# Altium PCB GN-1866-A-V2.PCBDOC (part 5 of 5)
Units mil, origin at the board's own origin, x right, y up, seen from the top; angles counter-clockwise.
Board outline 2475 x 2671.81 mil, 6 copper layers (TOP, ART02, ART03, ART04, ART05, BOTTOM), stack 47.2 mil thick; 347 components, 311 nets, 1697 pads, 1562 vias.
Unrouted connection lines stored in the file: 4.
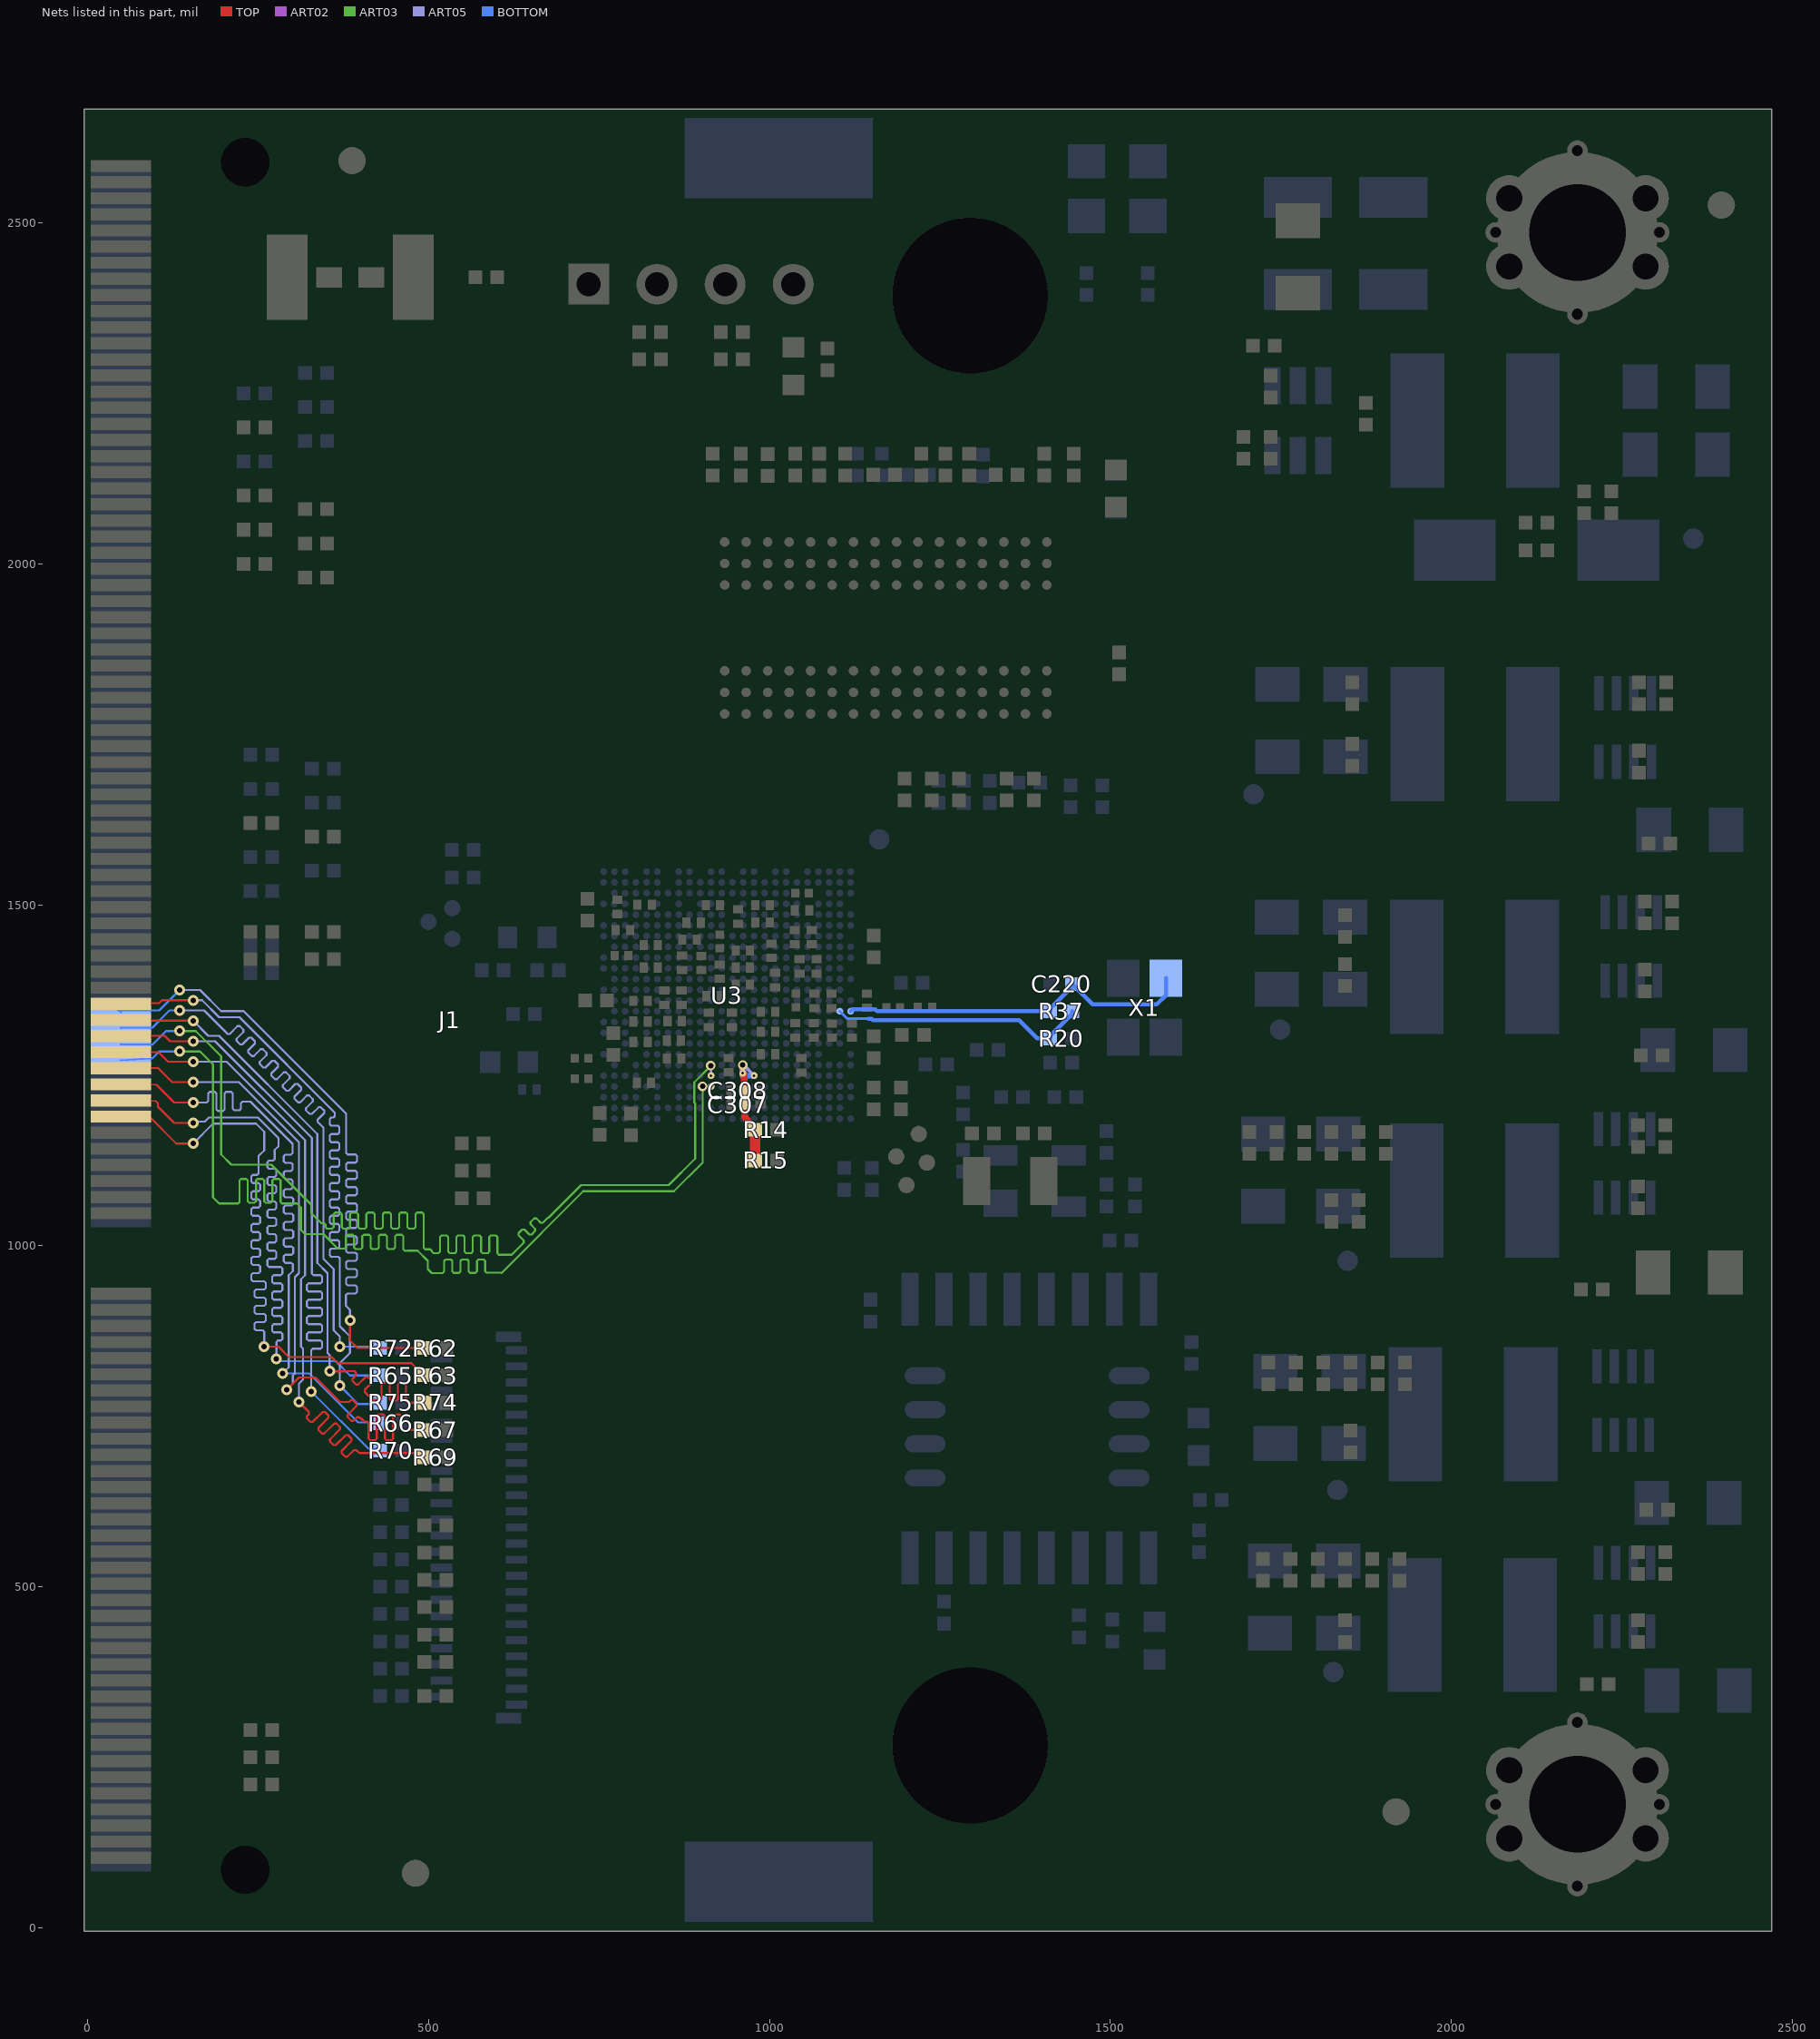
[diagram p9: the nets of this part, all layers, seen from the top]

## Via types
v1: diameter 10, hole 4, ART05 to BOTTOM, 456 vias
v2: diameter 22, hole 10, TOP to BOTTOM, 315 vias
v3: diameter 10, hole 4, TOP to ART02, 297 vias
v4: diameter 16, hole 8, TOP to BOTTOM, 255 vias
v5: diameter 14, hole 8, ART02 to ART05, 238 vias
v6: diameter 10, hole 4, ART02 to ART05, 1 vias

## Nets (pads, with @x,y where several pads share a name; then routed paths per layer and width w, separated by ;. In a path a pad name is that pad's centre, name@x,y a point inside that pad or via, vN(x,y) a via of type N, cw(c..) or ccw(c..) an arc to the next point about the centre after c; other vN are vias at no path point) (continued)
VI1_D4: J1.93 U3.AA14 | length 1771
  ART03 w3: v4(135,1285) 165,1285 184,1266 184,1071 193,1062 220.75,1062 223,1064.25 223,1095.81 225.25,1098.06 232.75,1098.06 235,1095.81 235,1065.46 237.25,1063.21 244.75,1063.21 247,1065.46 247,1095.81 249.25,1098.06 256.75,1098.06 259,1095.81 259,1065.46 261.25,1063.21 268.75,1063.21 271,1065.46 271,1095.81 273.25,1098.06 280.75,1098.06 283,1095.81 283,1064.28 285.25,1062.03 306.97,1062.03 313,1056 313,1023 319,1017 346,1017 367,996 376.75,996 379,998.25 379,1014.02 381.25,1016.27 388.75,1016.27 391,1014.02 391,997.45 393.25,995.2 400.75,995.2 403,997.45 403,1014.02 405.25,1016.27 412.75,1016.27 415,1014.02 415,997.45 417.25,995.2 424.75,995.2 427,997.45 427,1014.02 429.25,1016.27 436.75,1016.27 439,1014.02 439,997.45 441.25,995.2 448.75,995.2 451,997.45 451,1014.02 453.25,1016.27 460.75,1016.27 463,1014.02 463,994.79 465.25,992.54 469,992.54 469.46,993 484,993 499,978 499,966 505,960 520.75,960 523,962.25 523,977.79 525.25,980.04 532.75,980.04 535,977.79 535,962.5 537.25,960.25 544.75,960.25 547,962.5 547,977.79 549.25,980.04 556.75,980.04 559,977.79 559,962.5 561.25,960.25 568.75,960.25 571,962.5 571,977.79 573.25,980.04 580.75,980.04 583,977.79 583,962.7 585.25,960.45 606.55,960.45 607,960 727,1080 860,1080 902,1122 v5(902,1234)
  ART05 w3: v5(902,1234) v1(914.36,1233.63)
  BOTTOM w3: J1.93@49,1272.1 95,1275 105,1285 v4(135,1285)
VI1_D5: J1.95 U3.Y14 | length 1803.4
  ART03 w3: v4(135,1315) 158.81,1315 196,1277.81 196,1134 211,1119 269.43,1119 328,1060.43 328,1048.22 343,1033.22 346.75,1033.22 349,1030.97 349,1027.44 351.25,1025.19 358.75,1025.19 361,1027.44 361,1046.4 363.25,1048.65 370.75,1048.65 373,1046.4 373,1027.44 375.25,1025.19 382.75,1025.19 385,1027.44 385,1046.4 387.25,1048.65 394.75,1048.65 397,1046.4 397,1027.44 399.25,1025.19 406.75,1025.19 409,1027.44 409,1046.4 411.25,1048.65 418.75,1048.65 421,1046.4 421,1027.44 423.25,1025.19 430.75,1025.19 433,1027.44 433,1046.4 435.25,1048.65 442.75,1048.65 445,1046.4 445,1027.44 447.25,1025.19 454.75,1025.19 457,1027.44 457,1046.4 459.25,1048.65 466.75,1048.65 469,1046.4 469,1027.44 471.25,1025.19 478.75,1025.19 481,1027.44 481,1046.4 483.25,1048.65 490.75,1048.65 493,1046.4 493,997.02 495.25,994.77 502.75,994.77 505,992.52 505,991.49 507.25,989.24 514.75,989.24 517,991.49 517,1012.99 519.25,1015.24 526.75,1015.24 529,1012.99 529,991.49 531.25,989.24 538.75,989.24 541,991.49 541,1012.99 543.25,1015.24 550.75,1015.24 553,1012.99 553,991.49 555.25,989.24 562.75,989.24 565,991.49 565,1012.99 567.25,1015.24 574.75,1015.24 577,1012.99 577,991.49 579.25,989.24 586.75,989.24 589,991.49 589,1012.99 591.25,1015.24 598.75,1015.24 601,1012.99 601,989.25 603.25,987 622,987 639.65,1004.65 639.65,1007.83 632.14,1015.35 632.14,1018.53 637.44,1023.83 640.62,1023.83 648,1016.46 651.18,1016.46 656.48,1021.76 656.48,1024.94 649.77,1031.65 649.77,1034.84 655.08,1040.14 658.26,1040.14 664.6,1033.8 667.78,1033.8 674.99,1041 676,1041 724,1089 852.3,1089 891.3,1128 891.3,1208.47 889.7,1210.07 889.7,1239.7 v5(914,1264)
  ART05 w3: v5(914,1264) v1(914.36,1249.38)
  BOTTOM w3: J1.95@49,1295.72 95,1295 115,1315 v4(135,1315)
VI1_D6: J1.97 R72.1 | length 1025.7
  ART05 w3: v4(135,1345) 171.15,1345 205.46,1310.69 208.65,1310.69 220.01,1322.06 223.19,1322.06 228.5,1316.75 228.5,1313.57 218.54,1303.61 218.54,1300.43 223.84,1295.12 227.02,1295.12 236.98,1305.09 240.17,1305.09 245.47,1299.78 245.47,1296.6 235.51,1286.64 235.51,1283.46 240.81,1278.15 243.99,1278.15 253.95,1288.12 257.14,1288.12 262.44,1282.81 262.44,1279.63 252.48,1269.67 252.48,1266.49 257.78,1261.18 260.96,1261.18 270.92,1271.14 274.11,1271.14 279.41,1265.84 279.41,1262.66 269.45,1252.7 269.45,1249.52 274.75,1244.21 277.93,1244.21 287.9,1254.17 291.08,1254.17 296.38,1248.87 296.38,1245.69 286.42,1235.73 286.42,1232.55 291.72,1227.24 294.9,1227.24 304.87,1237.2 308.05,1237.2 313.35,1231.9 313.35,1228.72 303.39,1218.76 303.39,1215.58 308.69,1210.27 311.88,1210.27 321.84,1220.23 325.02,1220.23 330.32,1214.93 330.32,1211.75 320.36,1201.79 320.36,1198.6 325.66,1193.3 328.85,1193.3 338.81,1203.26 341.99,1203.26 347.29,1197.96 347.29,1194.78 337.35,1184.83 337.35,1181.65 346,1173 346,981 361,966 361,876 370,867 v4(370,852)
  BOTTOM w3: J1.97@49,1319.35 95,1320 120,1345 v4(135,1345) ; v4(370,852) 425.51,852 427.51,850 R72.1@429,850
VI1_D7: J1.99 R62.1 | length 1111.3
  TOP w3: v4(385,891) 385,861 396,850 R62.1@494,850
  ART05 w3: v4(135,1375) 165,1375 196,1344 229,1344 379.33,1193.67 379.33,1136.25 381.58,1134 392.83,1134 395.08,1131.75 395.08,1124.25 392.83,1122 381.58,1122 379.33,1119.75 379.33,1112.25 381.58,1110 392.83,1110 395.08,1107.75 395.08,1100.25 392.83,1098 381.58,1098 379.33,1095.75 379.33,1088.25 381.58,1086 392.83,1086 395.08,1083.75 395.08,1076.25 392.83,1074 381.58,1074 379.33,1071.75 379.33,1064.25 381.58,1062 392.83,1062 395.08,1059.75 395.08,1052.25 392.83,1050 381.58,1050 379.33,1047.75 379.33,1040.25 381.58,1038 392.83,1038 395.08,1035.75 395.08,1028.25 392.83,1026 381.58,1026 379.33,1023.75 379.33,1016.25 381.58,1014 392.83,1014 395.08,1011.75 395.08,1004.25 392.83,1002 381.58,1002 379.33,999.75 379.33,992.25 381.58,990 392.83,990 395.08,987.75 395.08,980.25 392.83,978 381.58,978 379.33,975.75 379.33,968.25 381.58,966 392.83,966 395.08,963.75 395.08,956.25 392.83,954 381.58,954 379.33,951.75 379.33,944.25 381.58,942 392.83,942 395.08,939.75 395.08,932.25 392.83,930 381.25,930 379,927.75 379,912 385,906 v4(385,891)
  BOTTOM w3: J1.99@49,1342.97 45,1345 105,1345 v4(135,1375)
VI1_D8: J1.86 R63.1 | length 1043.8
  TOP w3: J1.86@49,1189.43 92,1188 130,1150 v4(155,1150) ; v4(259,852) 280,852 295,837 358,837 367,828 475,828 R63.1@494,810
  ART05 w3: v4(155,1150) 184,1179 247,1179 259,1167 259,1140 250.97,1131.97 250.97,1106.25 248.72,1104 242.58,1104 240.33,1101.75 240.33,1094.25 242.58,1092 250.93,1092 253.18,1089.75 253.18,1082.25 250.93,1080 242.58,1080 240.33,1077.75 240.33,1070.25 242.58,1068 250.93,1068 253.18,1065.75 253.18,1058.25 250.93,1056 242.58,1056 240.33,1053.75 240.33,1046.25 242.58,1044 250.93,1044 253.18,1041.75 253.18,1034.25 250.93,1032 242.58,1032 240.33,1029.75 240.33,1022.25 242.58,1020 250.93,1020 253.18,1017.75 253.18,1010.25 250.93,1008 242.58,1008 240.33,1005.75 240.33,998.25 242.58,996 250.93,996 253.18,993.75 253.18,986.25 250.93,984 242.58,984 240.33,981.75 240.33,974.25 242.58,972 250.93,972 253.18,969.75 253.18,962.25 250.93,960 242.58,960 240.33,957.75 240.33,950.25 242.58,948 259.27,948 261.52,945.75 261.52,938.25 259.27,936 247.12,936 244.87,933.75 244.87,926.25 247.12,924 259.27,924 261.52,921.75 261.52,914.25 259.27,912 247.12,912 244.87,909.75 244.87,902.25 247.12,900 259.27,900 261.52,897.75 261.52,890.25 259.27,888 247.12,888 244.87,885.75 244.87,878.25 247.12,876 256.75,876 259,873.75 v4(259,852)
VI1_D9: J1.88 R65.1 | length 1008.9
  TOP w3: J1.88@49,1213.05 100,1212 103,1209 103,1204 127,1180 v4(155,1180)
  ART05 w3: v4(155,1180) 157,1182 172,1182 178,1188 250,1188 280,1158 280,1146 274.47,1140.47 274.47,1127.25 272.22,1125 266.07,1125 263.82,1122.75 263.82,1115.25 266.07,1113 274.46,1113 276.71,1110.75 276.71,1103.25 274.46,1101 266.07,1101 263.82,1098.75 263.82,1091.25 266.07,1089 274.46,1089 276.71,1086.75 276.71,1079.25 274.46,1077 266.07,1077 263.82,1074.75 263.82,1067.25 266.07,1065 274.46,1065 276.71,1062.75 276.71,1055.25 274.46,1053 266.07,1053 263.82,1050.75 263.82,1043.25 266.07,1041 274.46,1041 276.71,1038.75 276.71,1031.25 274.46,1029 266.07,1029 263.82,1026.75 263.82,1019.25 266.07,1017 274.46,1017 276.71,1014.75 276.71,1007.25 274.46,1005 266.07,1005 263.82,1002.75 263.82,995.25 266.07,993 274.46,993 276.71,990.75 276.71,983.25 274.46,981 266.07,981 263.82,978.75 263.82,971.25 266.07,969 283.55,969 285.8,966.75 285.8,959.25 283.55,957 272.98,957 270.73,954.75 270.73,947.25 272.98,945 283.55,945 285.8,942.75 285.8,935.25 283.55,933 272.98,933 270.73,930.75 270.73,923.25 272.98,921 283.55,921 285.8,918.75 285.8,911.25 283.55,909 272.98,909 270.73,906.75 270.73,899.25 272.98,897 283.55,897 285.8,894.75 285.8,887.25 283.55,885 272.98,885 270.73,882.75 270.73,875.25 272.98,873 283.55,873 285.8,870.75 285.8,863.25 283.55,861 279.25,861 277,858.75 v4(277,834)
  BOTTOM w3: v4(277,834) 277,831 364,831 385,810 R65.1@429,810
VI1_D10: J1.90 R66.1 | length 1053.7
  TOP w3: J1.90@49,1236.67 101,1236 127,1210 v4(155,1210)
  ART05 w3: v4(155,1210) 174.75,1210 177,1212.25 177,1223.53 179.25,1225.78 186.75,1225.78 189,1223.53 189,1199.9 191.25,1197.65 198.75,1197.65 201,1199.9 201,1223.53 203.25,1225.78 210.75,1225.78 213,1223.53 213,1200.94 215.25,1198.69 222.75,1198.69 225,1200.94 225,1209.13 227.25,1211.38 238.73,1211.38 300.73,1149.38 300.73,1143 300.8,1142.93 300.8,1135.98 298.55,1133.73 290.08,1133.73 287.83,1131.48 287.83,1123.98 290.08,1121.73 298.55,1121.73 300.8,1119.48 300.8,1111.98 298.55,1109.73 290.08,1109.73 287.83,1107.48 287.83,1099.98 290.08,1097.73 298.48,1097.73 300.73,1095.48 300.73,1085.25 298.48,1083 290.13,1083 287.88,1080.75 287.88,1073.25 290.13,1071 299.45,1071 301.7,1068.75 301.7,1061.25 299.45,1059 290.13,1059 287.88,1056.75 287.88,1049.25 290.13,1047 299.45,1047 301.7,1044.75 301.7,1037.25 299.45,1035 290.13,1035 287.88,1032.75 287.88,1025.25 290.13,1023 299.45,1023 301.7,1020.75 301.7,1013.25 299.45,1011 290.13,1011 287.88,1008.75 287.88,1001.25 290.13,999 299.45,999 301.7,996.75 301.7,989.25 299.45,987 290.13,987 287.88,984.75 287.88,977.25 290.13,975 298.75,975 301,972.75 301,963 295,957 295,822 v4(286,813)
  BOTTOM w3: v4(286,813) 325,813 397,741 421,741 R66.1@429,740
VI1_D11: J1.92 R67.1 | length 1101.8
  TOP w3: J1.92@49,1260.29 103,1261 124,1240 v4(155,1240) ; v4(292,789) 310,807 334,807 370,771 383.46,771 386.13,773.67 389.31,773.67 394.61,768.37 394.61,765.19 381.43,752 381.43,748.82 386.73,743.52 389.92,743.52 395.25,748.85 398.43,748.85 401.08,746.2 401.08,746.83 401.25,747 406,742.25 409.75,742.25 412,740 412,717.32 414.25,715.07 421.75,715.07 424,717.32 424,750.48 426.25,752.73 433.75,752.73 436,750.48 436,717.32 438.25,715.07 445.75,715.07 448,717.32 448,750.48 450.25,752.73 457.75,752.73 460,750.48 460,731.25 462.25,729 471.16,729 472.16,730 R67.1@494,730
  ART05 w3: v4(155,1240) 222,1240 310,1152 310,960 304,954 304,813 301,810 301,798 v4(292,789)
VI1_D12: J1.94 R69.1 | length 1088.1
  TOP w3: J1.94@49,1283.91 104,1284 118,1270 v4(155,1270) ; v4(310,771) 324.65,756.35 324.65,753.17 321.62,750.13 321.62,746.95 326.92,741.65 330.1,741.65 344.86,756.41 348.04,756.41 353.35,751.1 353.35,747.92 338.59,733.16 338.59,729.98 343.89,724.68 347.07,724.68 361.83,739.44 365.01,739.44 370.32,734.13 370.32,730.95 355.56,716.19 355.56,713.01 360.86,707.7 364.04,707.7 378.8,722.47 381.99,722.47 387.29,717.16 387.29,713.98 372.53,699.22 372.53,696.04 377.83,690.73 381.01,690.73 390.75,700.47 393.93,700.47 398.41,696 493,696 R69.1@494,690
  ART05 w3: v4(155,1270) 204,1270 319,1155 319,957 313,951 313,852 316,849 316,804 310,798 v4(310,771)
VI1_D13: J1.96 R70.1 | length 1032.4
  TOP w3: J1.96@49,1307.54 61,1308 113,1308 121,1300 v4(155,1300)
  ART05 w3: v4(155,1300) 187,1300 328.94,1158.06 328.94,959.25 331.19,957 341.65,957 343.9,954.75 343.9,947.25 341.65,945 324,945 321.75,942.75 321.75,935.25 324,933 341.65,933 343.9,930.75 343.9,923.25 341.65,921 324,921 321.75,918.75 321.75,911.25 324,909 341.65,909 343.9,906.75 343.9,899.25 341.65,897 324,897 321.75,894.75 321.75,887.25 324,885 341.65,885 343.9,882.75 343.9,875.25 341.65,873 324,873 321.75,870.75 321.75,863.25 324,861 341.65,861 343.9,858.75 343.9,851.25 341.65,849 330.25,849 328,846.75 v4(328,786)
  BOTTOM w3: v4(328,786) 328.48,786 412.45,702.03 426.65,702.03 426.84,701.84 R70.1@429,700
VI1_D14: J1.98 R74.1 | length 1011.6
  TOP w3: J1.98@49,1331.16 58,1330 v4(155,1330) ; v4(355,816) 379.29,816 379.38,816.08 391.17,816.08 393.82,813.43 393.82,810.25 388.54,804.97 388.54,801.79 393.85,796.48 397.03,796.48 407.99,807.44 411.17,807.44 416.47,802.14 416.47,798.96 406.35,788.83 406.35,785.65 418.03,773.97 428.75,773.97 431,776.22 431,796.76 433.25,799.01 440.75,799.01 443,796.76 443,775.29 445.25,773.04 452.75,773.04 455,775.29 455,796.76 457.25,799.01 464.75,799.01 467,796.76 467,772.25 469.25,770 R74.1@494,770
  ART05 w3: v4(155,1330) 177,1308 193,1308 337,1164 337,975 352,960 352,843 355,840 v4(355,816)
VI1_D15: J1.100 R75.1 | length 1070.5
  TOP w3: J1.100@49,1354.78 105,1356 109,1360 v4(155,1360)
  ART05 w3: v4(155,1360) 168,1360 193,1335 223,1335 362.73,1195.27 362.73,1190.25 360.48,1188 357.37,1188 355.12,1185.75 355.12,1178.25 357.37,1176 367.13,1176 369.38,1173.75 369.38,1166.25 367.13,1164 357.37,1164 355.12,1161.75 355.12,1154.25 357.37,1152 367.13,1152 369.38,1149.75 369.38,1142.25 367.13,1140 357.37,1140 355.12,1137.75 355.12,1130.25 357.37,1128 367.13,1128 369.38,1125.75 369.38,1118.25 367.13,1116 357.37,1116 355.12,1113.75 355.12,1106.25 357.37,1104 367.13,1104 369.38,1101.75 369.38,1094.25 367.13,1092 357.37,1092 355.12,1089.75 355.12,1082.25 357.37,1080 367.13,1080 369.38,1077.75 369.38,1070.25 367.13,1068 357.37,1068 355.12,1065.75 355.12,1058.25 357.37,1056 367.13,1056 369.38,1053.75 369.38,1046.25 367.13,1044 357.37,1044 355.12,1041.75 355.12,1034.25 357.37,1032 367.13,1032 369.38,1029.75 369.38,1022.25 367.13,1020 357.37,1020 355.12,1017.75 355.12,1010.25 357.37,1008 367.13,1008 369.38,1005.75 369.38,998.25 367.13,996 357.37,996 355.12,993.75 355.12,986.25 357.37,984 367.75,984 370,981.75 370,882 385,867 385,843 370,828 v4(370,795)
  BOTTOM w3: v4(370,795) 397,768 427,768 R75.1@429,770
VIVCC: C307.1 C308.1 R14.2 R15.2 U3.Y10 U3.Y11 | length 185.3
  TOP w10: v3(961,1253) 963,1251 963,1229.48 963.46,1229.02 C308.1@963.5,1228 C307.1@963.5,1207 964,1206.5 964,1189 R14.2@979,1170
  TOP w15: R15.2@979,1125 R14.2@979,1170
  ART02 w10: v3(961,1253) v5(961,1265)
  ART05 w5: v5@962.73,1265 v1(977.35,1249.38)
  ART05 w10: v5(961,1265) v5@962.73,1265
  BOTTOM w8: U3.Y11@961.6,1249.38 v1(977.35,1249.38)
XIN: C220.1 R37.1 U3.P1 X1.1 | length 529.2
  BOTTOM w6: U3.P1@1119.08,1343.87 1122.21,1347 1155.05,1347 1158.05,1344 R37.1@1412,1344 1412,1348 1444,1380 C220.1@1444,1384 1474,1354 1568,1354 1581.6,1367.6 X1.1@1581.6,1392.41
XOUT: R20.1 R37.2 U3.P2 | length 378.4
  BOTTOM w4: U3.P2@1103.33,1343.87 1114.33,1332.87 1145,1332.87
  BOTTOM w6: 1145,1332.87 1150,1332.87 1151.87,1331 1366,1331 1393,1304 R20.1@1412,1304 1412,1308 1444,1340 R37.2@1444,1344
pads on no net: J1.1 J1.3 J1.5 J1.13 J1.14 J1.15 J1.16 J1.17 J1.18 J1.19 J1.20 J1.21 J1.22 J1.23 J1.24 J1.25 J1.26 J1.27 J1.28 J1.29 J1.30 J1.33 J1.34 J1.35 J1.55 J1.65 J1.66 J1.67 J1.68 J1.69 J1.70 J1.71 J1.72 J1.73 J1.74 J1.75 J1.76 J1.77 J1.78 J1.79 J1.80 J1.81 J1.82 J1.101 J1.110 J1.111 J1.112 J1.113 J1.114 J1.116 J1.124 J1.126 J1.147 J1.149 J1.151 J1.153 J1.155 J1.157 J1.159 J1.161 J1.163 J1.165 J1.167 J1.174 J1.176 J1.178 J1.179 J1.180 J1.181 J1.183 J1.185 J1.187 J1.189 J1.191 J1.193 J1.195 J1.197 J1.199 J1.205 J1.206 J2.1 J3.1 J4.1 J5.1 J6.1 J7.1 J21.1 J22.1 M5.1 M6.1 U1.1 U2.1 U3.A22 U3.AA17 U3.AA23 U3.AA24 U3.AB16 U3.AB17 U3.AB19 U3.AB22 U3.AB23 U3.AB24 U3.AC16 U3.AC17 U3.AC18 U3.AC20 U3.AC21 U3.AC23 U3.AD16 U3.AD17 U3.AD20 U3.AD23 U3.B22 U3.C22 U3.C23 U3.D22 U3.D23 U3.E3 U3.E22 U3.F2 U3.F20 U3.F21 U3.F22 U3.F23 U3.F24 U3.G23 U3.G24 U3.J22 U3.J23 U3.J24 U3.K20 U3.K21 U3.K22 U3.L1 U3.L2 U3.L20 U3.L21 U3.L23 U3.M2 U3.M3 U3.M4 U3.M22 U3.N1 U3.N2 U3.N3 U3.N4 U3.N6 U3.N22 U3.P3 U3.P4 U3.P22 U3.P23 U3.R20 U3.R22 U3.T1 U3.T2 U3.T4 U3.T20 U3.U2 U3.U4 U3.U5 U3.U6 U3.V4 U3.V6 U3.V22 U3.V23 U3.V24 U3.W3 U3.W17 U3.Y3 U3.Y5 U3.Y17 U3.Y22 U3.Y23 U3.Y24 U17.1 U19.J1 U19.J9 U19.L1 U19.L9 U20.4 U20.5 U20.6 U20.11 U20.12 U20.13 U20.14 U21.1 U22.1 U26.J1 U26.J9 U26.L1 U26.L9

## Polygon pours and split planes (outlines as drawn)
1V35/1V5 on TOP "TOP-1V35/1V5" (solid, remove dead copper, pour order 1000): 1099.23,1744.45 1078.67,1744.45 1078.67,1771.98 1099.23,1771.98
VCC_MEDIA_CORE on TOP "TOP-VCC_MEDIA_CORE" (solid, remove dead copper, pour order 1001): 84 vertices, not listed, extent 858,827.5 1920,1365
1V8 on TOP "TOP-1V8" (solid, remove dead copper, pour order 1002): 17 vertices, not listed, extent 975,976 1870.36,1383
VCC_CPU_CORE on TOP "TOP-VCC_CPU_CORE" (solid, remove dead copper, pour order 1003): 23 vertices, not listed, extent 517,302 943,1500
GND on TOP "TOP-GND" (solid, remove dead copper, pour order 1009): 105 vertices, not listed, extent -5,-0.15 2464,2661
1V35/1V5 on TOP "TOP-1V35/1V5 1" (solid, remove dead copper, pour order 1004): 254 vertices, not listed, extent 887,1384 1875,2139
3V3 on TOP "TOP-3V3" (solid, remove dead copper, pour order 1005): 17 vertices, not listed, extent 420,1383 718.75,1925
3V3/1V8 on TOP "TOP-3V3/1V8" (solid, remove dead copper, pour order 1006): 33 vertices, not listed, extent 1133,1222 1228,1327
VCC_VDD_DDR_CORE on TOP "TOP-VCC_VDD_DDR_CORE" (solid, remove dead copper, pour order 1007): 17 vertices, not listed, extent 678.12,374.5 1879,1235
1V35/1V5 on TOP "TOP-1V35/1V5 2" (solid, remove dead copper, pour order 1008): 1139.52,1612.63 1145.86,1612.63 1145.86,1636.99 1139.52,1636.99
GND on ART02 "ART02-GND" (solid, remove dead copper, pour order 1011): 105 vertices, not listed, extent -5,-0.15 2464,2661
GND on ART02 "ART02-GND 1" (solid, remove dead copper, pour order 1010): 1073,889 1618,1434 1618,1959 1433,2144 813,2144 813,1629 530.5,1346.5 530.5,1024 623,1024 758,889
3V3 on ART03 "ART03-3V3" (solid, remove dead copper, pour order 1013): 30 vertices, not listed, extent 626.25,320 2390,2572.5
GND on ART03 "ART03-GND" (solid, remove dead copper, pour order 1012): 75 vertices, not listed, extent 838.05,1904.23 1119.83,2123.91
VCC_VDD_DDR_CORE on ART03 "ART03-VCC_VDD_DDR_CORE" (solid, remove dead copper, pour order 1015): 119 vertices, not listed, extent 683.88,1097.06 992.36,1433.44
VCC_CPU_CORE on ART03 "ART03-VCC_CPU_CORE" (solid, remove dead copper, pour order 1016): 914,302.5 1089,302.5 1179.25,392.75 1662,392.75 1693.38,361.38 1821,361.38 1821,430 1688,430 1671.5,446.5 1120,446.5 1042.25,368.75 914,368.75
3V3 on ART03 "ART03-3V3 1" (solid, remove dead copper, pour order 1017): 804.27,1423.5 439,1423.5 439,1355 608,1355 633.15,1380.15 787.79,1380.15 804.27,1396.63
GND on ART03 "ART03-GND 1" (solid, remove dead copper, pour order 1018): 105 vertices, not listed, extent -5,-0.15 2464,2661
VCC_CPU_CORE on ART03 "ART03-VCC_CPU_CORE 1" (solid, remove dead copper, pour order 1014): 208 vertices, not listed, extent 636,1404 906,1574.3
GND on ART04 "ART04-GND" (solid, remove dead copper, pour order 1020): 105 vertices, not listed, extent -5,-0.15 2464,2661
GND on ART04 "ART04-GND 1" (solid, remove dead copper, pour order 1019): 30 vertices, not listed, extent 153,379 1903,2149
12V0 on ART05 "ART05-12V0" (solid, remove dead copper, pour order 1021): 493,2361 493,2487 547,2541 868,2541 923.5,2596.5 1657,2596.5 1726.75,2526.75 1726.75,2361 1621,2361 1468.5,2513.5 1225,2513.5 1180.25,2468.75 601,2468.75 556.12,2423.88 556.12,2361
3V3/1V8 on ART05 "ART05-3V3/1V8" (solid, remove dead copper, pour order 1022): 34 vertices, not listed, extent 723,633.28 1692.75,2266.5
GND on ART05 "ART05-GND" (solid, remove dead copper, pour order 1024): 105 vertices, not listed, extent -5,-0.15 2464,2661
GND on ART05 "ART05-GND 1" (solid, remove dead copper, pour order 1023): 25 vertices, not listed, extent 83,351.5 1908,2214
GND on BOTTOM "BOTTOM-GND" (solid, remove dead copper, pour order 1029): 1533,1909 1478,1909 1478,1949 1533,1949
1V35/1V5 on BOTTOM "BOTTOM-1V35/1V5" (solid, remove dead copper, pour order 1025): 176 vertices, not listed, extent 920.5,1572 1876,2111.5
GND on BOTTOM "BOTTOM-GND 1" (solid, remove dead copper, pour order 1026): 1253,889 1253,1109 1178,1109 1178,1614 688,1614 688,1384 533,1384 533,1024 643,1024 643,889
GND on BOTTOM "BOTTOM-GND 2" (solid, remove dead copper, pour order 1027): 105 vertices, not listed, extent -5,-0.15 2464,2661
GND on BOTTOM "BOTTOM-GND 3" (solid, remove dead copper, pour order 1028): 1163,1854 1118,1854 1118,1874 1163,1874

## Keep-outs
Keep-Out Layer:
  lines w10: 142.79,1003 0,1003 0,2661.42 703.26,2661.42 703.26,2660.5 ccw(c782.26,2660.5) 861.26,2660.5 940,2661.42 2465,2661.42 2465,0 940,0 861.26,-0.39 ccw(c782.26,-0.67) 703.26,-0.39 703.26,0 0,0 0,963 142.79,963 ccw(c142.47,983) 142.82,1003

## Other copper
TOP:
  region net 3V3: 2212,945 2238,945 2238,970.29 2260.5,992.79 2260.5,1065 2284,1065 2284,1038 2293,1029 2308,1029 2308,1073.5 2346.5,1073.5 2346.5,1014 2324.1,991.6 2324.1,921.5 2212,921.5 2212,945
  pour cut-out: 911,1991 939,1991 959.5,2011.5 1035,2011.5 1041.25,2005.25 1049,2005.25 1056.38,2012.62 1096,2012.62 1102.81,2005.81 1102.81,1963 1106.91,1958.91 1138,1958.91 1142.55,1963.45 1142.55,1976 1147.27,1980.73 1211,1980.73 1226.14,1995.86 1226.14,2009 1208.57,2026.57 1208.57,2040 1213.78,2045.22 1287,2045.22 1307.61,2024.61 1309.61,2022.61 1317,2022.61 1340.7,2046.3 1350,2046.3 1372.15,2024.15 1380,2024.15 1401.92,2046.08 1433,2046.08 1557.54,1921.54 1557.54,1800 1522.77,1765.23 1402,1765.23 1378.62,1788.62 1370,1788.62 1349.69,1768.31 1338,1768.31 1338,1769 1318,1789 1306,1789 1285.5,1768.5 1228,1768.5 1221.75,1762.25 1221.75,1742 1170,1742 1161.5,1750.5 1101,1750.5 1101,1791 1091,1801 1053,1801 1043,1811 1043,1819 1037,1825 1021,1825 1015.5,1819.5 1015.5,1800 1011.25,1795.75 989,1795.75 984.38,1800.38 984.38,1818 977.19,1825.19 952,1825.19 947.91,1821.09 947.91,1809 925.95,1787.05 925.95,1765 953.98,1736.98 1028,1736.98 1061.99,1702.99 1117,1702.99 1136.49,1683.49 1136.49,1635 1138.75,1632.75 1138.75,1617 1098.87,1577.13 944,1577.13 810.56,1710.56 810.56,1892 909.78,1991.22 911,1991.22 911,1991
  region net 3V3: 2221,366.15 2221,348.5 2245,348.5 2266.25,327.25 2281,327.25 2281,429 2263,429 2263,381 2248.15,366.15 2221,366.15
  pour cut-out: -5,2661 100,2661 100,0 -5,0 -5,2661
  region net 12V0IN: 103,2592 103,2487 235,2355 322,2355 322,2484 223,2484 137.5,2569.5 137.5,2592 103,2592
  pour cut-out: 2322.5,921.5 2380.5,921.5 2380.5,993.5 2322.5,993.5 2322.5,921.5
  region net VCC_MEDIA_CORE: 1795,1044 1885,1044 1885,975 1687,975 1687,1017 1742.5,1072.5 1795,1072.5 1795,1044
  pour cut-out: 257,2354 463,2354 463,2484 257,2484 257,2354
  pour cut-out: 993.75,1260 993.75,1369.96 958,1369.96 958,1329 901,1329 901,1359.62 858.5,1359 858.5,1266 793,1266 793,1390 762,1421 762,1524 882.86,1524 882.86,1488 901,1488 901,1506 919,1506 919,1524 988,1524 988,1509 1006,1509 1006,1469.85 993.1,1469.85 993.1,1455.93 1024,1455.93 1029.54,1461.46 1029.54,1524 1063,1524 1063,1503 1078,1503 1078,1457.01 1068,1447 1068,1436.59 1075.79,1428.79 1075.79,1392 1039,1392 1039,1406.86 1034.43,1411.43 1022.85,1411.43 1018.21,1406.79 1018.21,1380 1153,1380 1153,1359 1249,1359 1249,1335 1141,1335 1141,1296 1060,1296 1060,1245 1006,1245 1006,1197 952,1197 952.79,1260 993.75,1260
  region net 12V0: 1723,2268 1723,2298 1729,2304 1729,2346 1708,2367 1651.5,2367 1651.5,2433 1808.5,2433 1808.5,2373 1753.75,2318.25 1753.75,2268 1723,2268
  region net 3V3: 2266,1704 2266,1650 2234.65,1618.65 2234.65,1578.5 2293,1578.5 2293,1704 2266,1704
  pour cut-out: 764,2363 1081,2363 1081,2457 764,2457 764,2363
  region net 3V3/1V8: 1269,1206 1251,1206 1233,1224 1194.66,1224 1194.66,1236 1269,1236 1269,1206
  pour cut-out: 1570,99 1509.5,99 1509.5,195.5 1570,195.5 1570,99
  region net 12V0: 397,2406 445,2358 541,2358 577,2394 577,2442 535,2484 445,2484 397,2436 397,2406
  pour cut-out: 241,435 319,363 457,363 469,351 469,309 616,309 616,876 409,876 404.5,880.5 404.5,906 364,906 364,870 343,849 304,849 284.5,868.5 244,868.5 237.25,861.75 237.25,846 270.62,812.62 270.62,777 359.31,688.31 352,681 337,681 263.5,754.5 263.5,789 255.25,797.25 255.25,804 243.62,815.62 232,815.62 193.19,776.81 193.19,768 326.59,634.59 415,634.59 415,621 349,621 308.5,580.5 308.5,480 253,480 241,468 241,435
  region net 1V35/1V5: 1720,1644 1720,1689 1807,1689 1826.5,1708.5 1867,1708.5 1867,1644 1720,1644
  region net VCC_VDD_DDR_CORE: 1842,710 1726,710 1726,654 1870,654 1870,708 1842,708 1842,710
  pour cut-out: 85,1959 397,1959 397,2130 85,2130 85,1959
  pour cut-out: 88,1782 178,1782 178,1938 88,1938 88,1782
  pour cut-out: 100,1125 175,1125 175,1404 100,1404 100,1125
  region net 1V8: 1143,1210 1135,1210 1127.5,1202.5 1076,1202.5 1045.75,1172.25 1076,1142 1090,1157 1100.5,1167.5 1141,1167.5 1163.25,1189.75 1163.25,1209.16 1143,1209.16 1143,1210
  pour cut-out: 1300,1179 1327,1179 1331.5,1183.5 1331.5,1245.5 1372,1245.5 1372,1182 1376.5,1177.5 1396,1177.5 1396,1140 1429,1140 1429,1050 1279,1050 1279,1140 1300,1140 1300,1179
  region net 3V3: 2244,1291.29 2269.5,1316.79 2269.5,1383 2296,1383 2296,1308 2281,1293 2281,1248 2244,1248 2244,1291.29
  pour cut-out: 100,507 169,507 169,777 100,777 100,507
  region net 3V3: 2209.5,633 2209.5,600 2290,600 2290,633 2209.5,633
  region net 3V3: 2191,2304 2191,2097 2248,2097 2248,2304 2191,2304
  region net VCC_CPU_CORE: 1701,431 1701,386 1867,386 1867,431 1701,431
  region net 1V8: 1835,1376 1835,1371 1817,1353 1784,1353 1784,1322 1853,1322 1853,1376 1835,1376
  region net 12V0IN: 373,2406 325,2358 277.04,2358 277.04,2484 322,2484 373,2433 373,2406
ART02:
  pour cut-out: 1785,100 1509.5,100 1509.5,195.5 1785,195.5 1785,100
  region net VCC_MEDIA_CORE: 862.96,1326.04 862.96,1354.96 867.26,1359.26 883.26,1359.26 889.13,1353.39 889.13,1274 885.13,1270 865.93,1270 862.93,1273 862.93,1326 862.96,1326.04
  region net 3V3: 842,1335 841.92,1332.11 841.73,1331.35 841.61,1330.57 841.56,1329.78 841.58,1329 841.67,1328.21 841.82,1327.44 842,1326.79 842,1313 832,1303 809,1305 809,1334.75 809.49,1335.94 809.72,1336.69 809.89,1337.46 809.99,1338.24 832,1345 842,1335
  region net VCC_VDD_DDR_CORE: 989,1392 977,1380 971,1380 967,1384 967,1388 972,1393 972,1402 965,1409 965,1434 967,1436 979,1436 989,1426 989,1392
  region net VCC_MEDIA_CORE: 992,1311 974,1293 911,1293 906,1298 906,1325 909.94,1328.94 954.94,1328.94 966,1340 966,1361 968,1363 988,1363 992,1359 992,1311
  region net 1V35/1V5: 1043,1450 1043,1441 1035.52,1433.52 1035.03,1433.37 1034.12,1433.07 1033.24,1432.68 1032.47,1432.28 1032,1432 1021,1432 1019,1434 1019,1449.3 1019.49,1450.62 1019.68,1451.28 1019.82,1451.82 1021,1453 1040,1453 1043,1450
  region net 3V3: 577,1378 589,1390 755,1390 758,1387 758,1364 754,1360 580,1360 577,1363 577,1378
  region net 1V35/1V5: 1041.19,1752.84 1038.3,1755.73 1038.3,1783.6 1033.82,1788.08 1033.82,1798.26 1034.38,1798.82 1045.27,1798.82 1050.45,1793.64 1050.45,1754.55 1048.74,1752.84 1041.19,1752.84
  region net 3V3/1V8: 1189,1306 1193,1310 1221,1310 1224.5,1306.5 1224.5,1260.5 1222,1258 1191,1258 1189,1260 1189,1306
  text "GND" at 755,2242 h28
  text "RX" at 873,2240 h28
  text "TX" at 981,2238 h28
  text "VCC" at 1098,2236 h28
  text "." at 1860,2154 h28
  text "." at 855,2070 h28 r90
  text "." at 845,2063 h28
  text "." at 2336,1677 h28
  text "." at 910,1672 h28
  text "1.5V" at 1671,1617 h28 r90
  text "A" at 940,1582 h28
  text "." at 2346,1351 h28
  text "." at 1282,1038 h28
  text "." at 2339,1029 h28
  text "." at 1593,993 h28
  text "0.9V" at 1759,952 h28
  text "A" at 801,809 h28
  text "Name:GN-1866-A" at 843,740 h28 r90
  text "Ver:2.0" at 926,739 h28 r90
  text "01/15/2018" at 1000,737 h28 r90
  text "." at 2344,712 h28
  text "." at 1185,625 h28
  text "0.9V" at 1834,585 h28
  text "." at 2338,418 h28
  text "0.9V" at 1765,321 h28
  text "6" at 1555,120 h28
  text "5" at 1605,120 h28
  text "4" at 1655,120 h28
  text "3" at 1705,120 h28
  text "2" at 1755,120 h28
  text "1" at 1805,120 h28
ART03:
  pour cut-out: 921.33,1275 905,1275 880,1250 880,1140 867.5,1127.5 825,1127.5 798.75,1153.75 630,1153.75 608.12,1131.88 435,1131.88 403.44,1163.44 355,1163.44 336.72,1181.72 250,1181.72 245.86,1185.86 245.86,1305 220.43,1330.43 220.43,1400 175.21,1445.21 90,1445.21 64.89,1420.11 64.89,1240 94.95,1209.95 115,1209.95 115,1075 205,985 215,985 225,975 225,925 230,920 650,920 795,1065 840,1065 850,1055 687.5,892.5 575,892.5 528.75,846.25 528.75,300 610,300 622.5,312.5 622.5,365 681.25,423.75 681.25,445 1096,861 1096,1113 1080.31,1125.31 1080.31,1190 1092.66,1202.34 1092.66,1245 1076.33,1261.33 935,1261.33 921.33,1275
  pour cut-out: 121.09,810 80,810 57.5,787.5 57.5,635 101.25,591.25 101.25,500 225,500 225,440 297.5,367.5 340,367.5 361.25,388.75 415,388.75 415,450 352.5,512.5 320,512.5 320,530 405,530 417.5,542.5 417.5,615 340,615 310,585 182.5,712.5 182.5,750 365,750 410,795 410,905 370,905 342.5,877.5 342.5,845 323.75,826.25 310,826.25 300.62,835.62 300.62,850 277.81,872.81 185,872.81 121.09,810
  pour cut-out: 1095,2140 1145,2140 1145,2127 1095,2127 1095,2140
  pour cut-out: 1105.32,2128.02 1095,2128.02 1095,2128 1105.32,2128 1105.32,2128.02
  pour cut-out: 870,2131 820,2081 820,1792 854.5,1757.5 854.5,1489 863.94,1479.56 869.55,1479.56 877.2,1471.91 892.65,1471.91 906.18,1458.38 906.9,1459.1 906.9,1447.6 988,1447.6 1002.3,1433.3 1002.3,1411 1032.15,1381.15 1080,1381.15 1083.08,1378.08 1226,1378.08 1329.96,1482.04 1393,1482.04 1425.52,1449.52 1506,1449.52 1554.74,1498.26 1554.74,1917 1504.87,1966.87 1456,1966.87 1456,2135 1140,2135 1140,2000 1077.63,1937.63 1030,1937.63 1025.31,1942.31 1025.31,1991 1014.16,2002.16 982.82,2002.16 960.24,1979.57 960.24,1964.14 957.21,1961.11 949.24,1961.11 946.18,1964.17 946.18,1985.7 932.02,1999.85 932.02,2006 928.51,2009.51 916,2009.51 908.19,2001.7 908.19,1910.57 900.31,1902.69 844.44,1902.69 837.53,1909.6 837.53,2079.57 886.48,2128.52 1104.82,2128.52 1104.82,2139 870,2139 870,2131
  pour cut-out: 1725,100 1509,100 1509,196 1725,196 1725,100
  pour cut-out: 812,1526 779,1526 768.5,1515.5 711,1515.5 253.75,1972.75 253.75,2114 420,2114 428,2106 428,1973 804.5,1596.5 835,1596.5 860.75,1570.75 860.75,1484 842,1484 832.5,1493.5 832.5,1527 812,1527 812,1526
ART04:
  pour cut-out: 1675,99.5 1509,99.5 1509,196 1675,196 1675,99.5
ART05:
  pour cut-out: 1620,99.5 1509.5,99.5 1509.5,195.5 1620,195.5 1620,99.5
  region net VCC_MEDIA_CORE: 903.9,1372.2 903.9,1356.28 901.5,1353.88 898.61,1353.88 897.74,1353.84 896.87,1353.73 896.02,1353.54 895.19,1353.28 894.38,1352.94 893.61,1352.54 892.87,1352.07 892.18,1351.54 891.53,1350.95 890.94,1350.3 890.41,1349.61 889.94,1348.88 889.54,1348.1 889.2,1347.29 888.94,1346.46 888.75,1345.61 888.64,1344.74 888.6,1343.87 888.6,1328.12 888.64,1327.25 888.75,1326.38 889,1325.29 889,1308 886.9,1305.9 880.7,1305.9 875.1,1311.5 875.1,1321.8 875.76,1322.46 875.76,1325.56 875.95,1326.32 876.07,1327.1 876.13,1327.89 876.11,1328.67 876.03,1329.46 875.88,1330.23 875.66,1330.99 875.66,1340.98 875.87,1341.74 876.03,1342.51 876.11,1343.29 876.12,1344.42 877.3,1345.6 877.3,1378.2 879.98,1380.88 895.22,1380.88 903.9,1372.2
  region net 1V35/1V5: 1052.15,1772.45 1044.6,1764.9 1037.6,1764.9 1023.9,1778.6 1023.9,1783.4 1030.7,1790.2 1030.7,1796.3 1035.5,1801.1 1041.8,1801.1 1052.15,1790.75 1052.15,1772.45
  pour cut-out: 745,1535 775,1505 865,1505 880,1520 867.5,1532.5 867.5,1575 511.25,1931.25 340,1931.25 330.62,1940.62 125,1940.62 112.19,1927.81 90,1927.81 73.59,1911.41 73.59,1835 131.8,1776.8 155,1776.8 164.1,1785.9 164.1,1810 174.55,1820.45 450,1820.45 540.22,1730.22 550,1730.22 665.11,1615.11 665.11,1605 710.06,1560.06 745,1560.06 745,1535
  region net VCC_MEDIA_CORE: 983.67,1363 983.41,1362.16 983.22,1361.31 983.11,1360.44 983.08,1359.57 983.12,1358.69 983.24,1357.83 983.44,1356.97 983.7,1356.14 984.27,1354.81 984.27,1336.94 984.24,1329.79 984.12,1329.01 984.08,1328.23 984.11,1327.44 984.27,1326.27 984.24,1314.04 984.13,1313.26 984.08,1312.59 984.06,1311.79 979.27,1307 976,1307 973,1310 973,1315 966,1322 955,1322 952.5,1319.5 952.5,1293.5 949.02,1290.02 911.87,1290.02 909.44,1292.44 909.44,1332.44 910.86,1333.86 930.11,1333.86 930.98,1333.9 931.85,1334.01 932.7,1334.2 933.54,1334.46 934.34,1334.8 935.12,1335.2 935.86,1335.67 936.55,1336.2 937.2,1336.79 937.79,1337.44 938.32,1338.13 938.79,1338.87 939.19,1339.65 939.53,1340.45 939.82,1341.42 939.96,1341.96 945,1347 963.5,1347 971.2,1354.7 971.2,1376.2 973,1378 982,1378 984,1376 984,1363.81 983.67,1363
  pour cut-out: 743.53,1697 776,1697 776,1904 901,2029 1153,2029 1173,2009 1173,1993 1190,1993 1201,2004 1201,2042 1234,2042 1242.5,2033.5 1477,2033.5 1545.75,1964.75 1545.75,1871 1472.5,1797.75 1287,1797.75 1275.12,1785.88 1275.12,1713 1300.56,1687.56 1300.56,1672 1240,1672 1240,1751 1230.5,1760.5 1189,1760.5 1159.25,1730.75 1159.25,1616 1169.12,1606.12 1169.12,1588 1182.06,1575.06 1182.06,1557 1264,1557 1350,1643 1350,1684 1354.5,1688.5 1379,1688.5 1394.75,1672.75 1394.75,1611 1452,1611 1470,1593 1470,1559 1489,1540 1489,1529 1500,1518 1525,1518 1525,1491 1512,1478 1492,1478 1456,1442 1407,1442 1341.5,1376.5 1233,1376.5 1233,1349 1182,1349 1162,1369 1068,1369 1056,1381 1024,1381 1024,1456 906.9,1456 906.9,1478.46 899,1478.46 899,1468 867.11,1468 857.06,1478.06 857.06,1570 743.53,1683.53 743.53,1697
  pour cut-out: 106.25,1405 175,1405 217.5,1362.5 235,1362.5 403.75,1193.75 403.75,1155 411.88,1146.88 411.88,805 373.44,766.56 373.44,730 434.22,669.22 434.22,430 384.61,380.39 285,380.39 202.7,462.7 185,462.7 148.85,498.85 125,498.85 109.42,514.42 109.42,780 132.21,802.79 170,802.79 170,845 225,900 225,1160 200,1160 167.5,1127.5 135,1127.5 106.25,1156.25 106.25,1405
  region net VCC_CPU_CORE: 878.05,1439.05 884.15,1445.15 884.73,1445.28 885.49,1445.47 886.93,1446 915.49,1446 916.01,1444.8 916.44,1443.94 916.94,1443.12 917.51,1442.34 918.14,1441.62 918.83,1440.95 919.58,1440.35 920.38,1439.82 921,1439.47 921,1434.5 904,1417.5 904,1405 901,1402 883,1402 878.05,1406.95 878.05,1439.05
  region net VCC_VDD_DDR_CORE: 998.3,1441.44 998.3,1429.9 997,1428.6 997,1403.6 995.4,1402 991.2,1402 984,1394.8 976.2,1394.8 972,1399 972,1405 968,1409 957,1409 954.89,1406.96 954.09,1406.42 953.35,1405.81 952.66,1405.14 952.04,1404.41 951.48,1403.63 951.01,1402.89 950.48,1401.73 950.16,1400.82 949.92,1399.89 949.76,1398.94 949.69,1397.98 949.7,1397.02 949.79,1396.06 949.96,1395.12 950.22,1394.19 950.56,1393.29 951.1,1392.17 951.1,1374.37 946.1,1369.37 930.18,1369.37 923.37,1376.18 923.26,1376.82 923.1,1377.59 922.86,1378.39 922.86,1383.86 927.2,1388.2 927.2,1409 930.2,1412 950,1412 957,1419 957,1443 958.51,1444.51 959.57,1444.29 960.43,1444.15 961.3,1444.08 962.18,1444.1 963.05,1444.19 963.91,1444.35 964.75,1444.59 965.56,1444.9 966.62,1445.42 987.93,1445.34 988.86,1445.11 989.81,1444.97 990.77,1444.91 991.74,1444.94 992.69,1445.05 993.29,1445.16 994.36,1445.38 998.3,1441.44
  pour cut-out: 530,865 530,310 557.5,282.5 685,282.5 1136.25,733.75 1136.25,1130 1105.62,1160.62 1105.62,1195 1085.31,1215.31 1085.31,1245 1075.16,1255.16 935,1255.16 930.08,1260.08 930,1260 930,1275 900,1275 900,1250 880,1230 880,1135 867.5,1122.5 750,1122.5 726.25,1098.75 726.25,1030 730.62,1025.62 760,1025.62 760,1020 605,865 530,865
BOTTOM:
  pour cut-out: 350,1950 395,1950 395,2060 350,2060 350,1950
  pour cut-out: 1185,875 1575,875 1575,965 1185,965 1185,875
  pour cut-out: 80,825 130,825 190,885 350,885 372.5,907.5 655,907.5 668.75,893.75 668.75,305 649.38,285.62 495,285.62 477.81,302.81 415,302.81 346.41,371.41 290,371.41 235.7,425.7 235.7,475 275,475 317.5,432.5 340,455 310,485 310,505 395,505 395,530 310,530 310,595 335,620 335,645 365,675 400,675 400,690 340,750 180,750 170,740 170,500 80,500 80,825
  pour cut-out: 80,1415 175,1415 175,1130 80,1130 80,1415
  pour cut-out: 1723,2130 1825,2130 1825,2295 1723,2295 1723,2130
  region net 3V3: 2260,456 2260,375 2249.5,364.5 2249.5,327 2341,327 2341,381 2287,381 2272,396 2272,456 2260,456
  pour cut-out: 2197,1640.5 2230,1640.5 2261.75,1672.25 2308,1672.25 2308,1842 2197,1842 2197,1640.5
  pour cut-out: 1166,1359 1371,1359 1401,1404 1465,1404 1465,1365 1544,1365 1544,1429 1617,1429 1617,1336 1555,1336 1555,1268 1486,1268 1486,1293 1461,1293 1461,1250 1422,1250 1422,1287 1395,1287 1358.5,1320 1166,1320 1166,1359
  pour cut-out: 1819,2178 1933,2178 1933,2325 1819,2325 1819,2178
  region net VCC_MEDIA_CORE: 1690,1091.5 1690,981 1987,981 1987,1179 1909,1179 1909,1091.5 1690,1091.5
  pour cut-out: 115,1785 175,1785 175,1935 115,1935 115,1785
  region net 3V3: 2260,1095 2260,993 2237.5,970.5 2237.5,921 2323,921 2323,993 2347,1017 2347,1074 2314,1074 2314,1026 2308,1020 2290,1020 2272,1038 2272,1095 2260,1095
  pour cut-out: 2302,2298 2359,2298 2359,2127 2302,2127 2302,2298
  pour cut-out: 1190,495 1575,495 1575,590 1190,590 1190,495
  region net 1V35/1V5: 1064.4,1764 1026.2,1764 1021.6,1768.6 1021.6,1785.6 1024.7,1788.7 1065.5,1788.7 1068.9,1785.3 1068.9,1768.5 1064.4,1764
  pour cut-out: 1702,1455 1900,1455 1900,1521 2311,1521 2311,1353 2254,1296 1900,1296 1900,1320 1702,1320 1702,1455
  pour cut-out: 1490,640 1565,640 1565,825 1490,825 1490,640
  pour cut-out: 1903,1641 2206,1641 2206,1857 1903,1857 1903,1641
  pour cut-out: 1190,640 1265,640 1265,830 1190,830 1190,640
  region net VCC_VDD_DDR_CORE: 1705,735 1897,735 1909,747 1909,849 1990,849 1990,645 1735,645 1705,675 1705,735
  region net 3V3: 2080,2310 2176,2310 2176,2133 2245,2133 2245,2145 2191,2145 2191,2304 2305,2304 2305,1971 2182,1971 2182,2013 2080,2115 2080,2310
  region net N528716: 2236,1095 2236,1038 2231.5,1033.5 2203,1033.5 2185.75,1050.75 2185.75,1176 2080,1176 2080,972 2218,972 2248,1002 2248,1095 2236,1095
  pour cut-out: -5,0 100,0 100,2660 -5,2660 -5,0
  pour cut-out: 1696,513 1900,513 1900,546 2191,546 2222.5,577.5 2305,577.5 2305,405 2269,405 2269,375 2236,342 1897,342 1897,372 1696,372 1696,513
  region net 3V3: 2269,1407 2269,1317 2243.5,1291.5 2243.5,1248 2329,1248 2329,1323 2317,1323 2282.5,1357.5 2282.5,1407 2269,1407
  pour cut-out: 2335,315 2392,315 2392,378 2335,378 2335,315
  region net N538742: 2246,1387 2246,1358 2241.5,1353.5 2209,1353.5 2188.25,1374.25 2188.25,1506 2083,1506 2083,1311 2230,1311 2254,1335 2254,1395 2246,1387
  region net N538720: 2233,747 2233,690 2224,681 2206,681 2183.5,703.5 2183.5,849 2086,849 2086,654 2236,654 2246.5,664.5 2246.5,747 2233,747
  pour cut-out: 1820,100 1510,100 1510,195 1820,195 1820,100
  region net N538724: 2236,456 2236,402 2227,393 2206,393 2164,435 2164,543 2077,543 2077,348 2221,348 2245,372 2245,456 2236,456
  pour cut-out: 765,1563 765,1540 740,1540 740,1195 770,1195 770,1170 1110,1170 1110,1195 1135,1195 1135,1540 1095,1540 1095,1565 875,1565 782.5,1657.5 765,1657.5 765,1615 745,1615 720,1640 695,1640 687.5,1632.5 687.5,1613.5 738,1563 765,1563
  region net VCC_CPU_CORE: 1701,458 1701,381 1933,381 1933,498 1901,498 1901,458 1701,458
  region net N528764: 1801,2289 1825,2289 1849,2313 1990,2313 1990,2112 1912,2112 1912,2175 1855,2232 1801,2232 1801,2289
  region net 1V35/1V5: 1713,1743 1713,1646 1971,1646 1971,1782 1917,1782 1917,1743 1713,1743
  region net 3V3: 2257,747 2257,654 2245,634.5 2209,634.5 2209,594 2320,594 2320,657 2302,675 2290,675 2272,693 2272,747 2257,747
  pour cut-out: 2065,1974 2185,1974 2185,2067 2065,2067 2065,1974
  pour cut-out: 1684,1137 1900,1137 1900,1185 2179,1185 2200,1206 2311,1206 2311,1019.5 2255.75,964.25 1684,964.25 1684,1137
  region net 1V8: 1712,1403 1712,1323 1942,1323 1942,1403 1712,1403
  region net 12V0: 1762,2235 1762,2301 1697.5,2365.5 1651,2365.5 1651,2433 1966,2433 1966,2352 1843,2352 1786,2295 1786,2235 1762,2235
  pour cut-out: 2328.5,1248.5 2383,1248.5 2383,1320 2328.5,1320 2328.5,1248.5
  pour cut-out: 1705,2429 1981,2429 1981,2509 1705,2509 1705,2429
  pour cut-out: 2320,588 2374,588 2374,657 2320,657 2320,588
  pour cut-out: 1903,2316 2164,2316 2164,2109 1903,2109 1903,2316
  region net N537728: 2236,1734 2236,1683 2227,1674 2203,1674 2188,1689 2188,1842 2083,1842 2083,1647 2230,1647 2246.5,1663.5 2246.5,1734 2236,1734
  pour cut-out: 265,1975 305,1975 305,2120 265,2120 265,1975
  pour cut-out: 1699,792 1897,792 1897,861 2305,861 2305,690 2275,690 2263,678 2263,653.86 2258.57,649.43 1699,649.43 1699,792
  region net 3V3: 2260,1731 2260,1647 2233,1620 2233,1578 2323,1578 2323,1650 2299,1650 2272,1677 2272,1731 2260,1731
  pour cut-out: 2322.5,921.5 2380,921.5 2380,993 2322.5,993 2322.5,921.5
  pour cut-out: 2323,1572 2377,1572 2377,1644 2323,1644 2323,1572

## Silkscreen, mask and mechanical layers (free items; w line width, h text height)
Silkscreen Top:
  lines w1: 799,450 990,450 990,485 1490,485 1490,742 1470,742 1470,968 898,968 898,741 799,741 799,450
  lines w5: 793,1264 793,1390 857,1390 857,1534 1114,1534 1114,1340 1133,1340 1133,1296 887,1296 887,1264 793,1264
Solder Mask Top:
  drawing of 15 lines, arcs and shapes, not listed
Solder Mask Bottom:
  drawing of 2 lines, arcs and shapes, not listed